# Altium PCB ctrl_boardV1.1.PcbDoc (part 1 of 3) (continued)
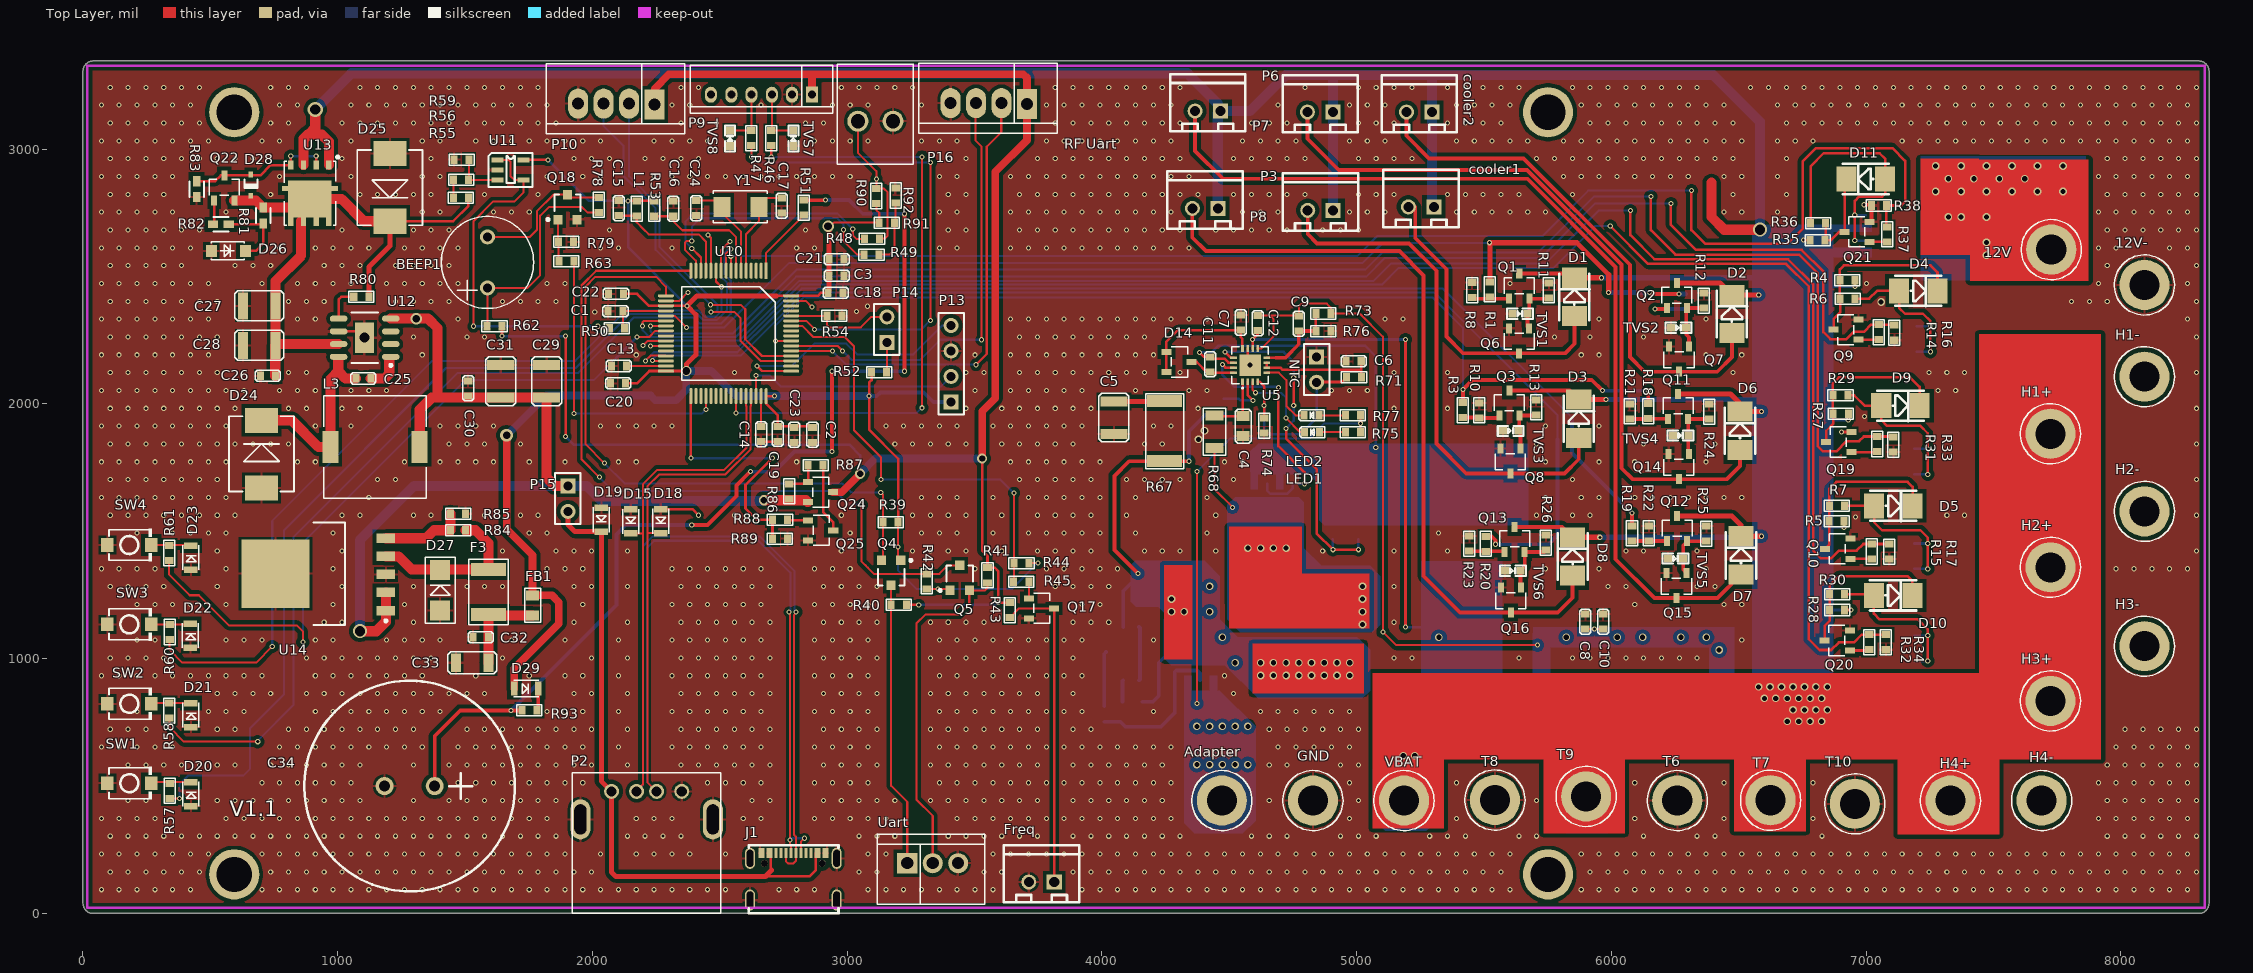
[diagram p0: Top Layer view]
## Footprints (in the part's own frame and the unit in brackets; to place one, negate y for a bottom-side part, rotate by r counter-clockwise, add the part's x,y. Pads: shape width x height; smd on the part's side, far side on the other; paste and mask are expansions set on the pad)
3X2.54MMZ [mm]
  rect 2x2 hole 1.2: 1(0,0)
  round 2 hole 1.2: 2(2.54,0) 3(5.08,0)
  silkscreen extent -3,-4.1 7.75,2.9
4X2.54MMZ [mm]
  rect 2x3 hole 1.2: 1(0,0)
  oval 2x3 hole 1.2: 2(2.54,-0.1) 3(5.08,-0.1) 4(7.62,-0.1)
  silkscreen extent -3,-4.1 10.79,2.9
6X2MMZ [mm]
  rect 1.2x1.6 hole 0.8: 1(0,0)
  oval 1.2x1.6 hole 0.8: 2(2,0) 3(4,0) 4(6.05,0) 5(8.05,0) 6(10.08,0)
  silkscreen extent -2.05,-2.95 12.12,1.85
0603C [mm]
  rect 0.7x0.85 smd: 1(0,0) 2(1.5,0)
  silkscreen extent -0.5,-0.55 2,0.55
0603LED [mm]
  rect 0.7x0.85 smd: 1(0,0) 2(1.5,0)
  silkscreen extent -0.5,-0.55 2,0.55
0603R [mm]
  rect 0.7x0.85 smd: 1(0,0) 2(1.5,0)
  silkscreen extent -0.5,-0.55 2,0.55
0603r [mm]
  rect 0.7x0.85 smd: 1(0,0) 2(1.5,0)
  silkscreen extent -0.5,-0.55 2,0.55
0805C [mm]
  rect 1x1.3 smd: 1(0,0) 2(2,0)
  silkscreen extent -0.7,-0.8 2.7,0.8
0805CZ [mm]
  rect 1x1.3 smd: 1(0,0) 2(2,0)
  silkscreen extent -0.7,-0.8 2.7,0.8
1206C [mm]
  rect 1x1.8 smd: 1(0,0) 2(3.25,0)
  silkscreen extent -0.8,-1.1 4.05,1.1
1206R [mm]
  rect 1x1.8 smd: 1(0,0) 2(3.25,0)
  silkscreen extent -0.7,-1.1 3.95,1.1
1210C [mm]
  rect 1x2.7 smd: 1(0,0) 2(3.25,0)
  silkscreen extent -0.8,-1.5 4.05,1.5
1812-F [mm]
  rect 1.3x3.5 smd: 1(0,0) 2(4.5,0)
  silkscreen extent -1,-1.95 5.5,1.95
2512R [mm]
  rect 1.2x3.5 smd: 1(0,0) 2(6,0)
  silkscreen extent -0.75,-1.9 6.75,1.9
BEEP-9.5X5.5 [mm]
  round 1.5 hole 0.9: 1(-2.54,0) 2(2.54,0)
  silkscreen extent -4.6,-4.6 4.6,4.6
CAP-TH_BD21.0-P5.00-D0.8_CENXXX-CF [mm]
  round 1.8 hole 1.1 paste-2539.97 mask+0.05: 1(-2.5,0) 2(2.5,0)
  silkscreen extent -10.5,-10.5 10.5,10.5
CDRH105 [mm]
  rect 3.2x1.6 smd: 1(5.1,-0.65) 2(5.1,-9.55)
  silkscreen extent 0,-10.2 10.2,0
CRAY_5032 [mm]
  rect 1.7x2 smd: 1(0,0) 2(3.7,0)
  silkscreen extent -0.86,-1.6 4.55,1.6
DIOD-SOD323-2_V [mm] "SOD-323, 2-Leads, Body 1.7x1.3mm, Lead Span 2.5mm"
  rect 0.59x0.45 smd: 1(-1.055,0) 2(1.055,0)
  silkscreen extent -0.56,-0.65 0.26,0.65, body extent -1.21,-0.65 1.31,0.65, height 1.13
DO-214-AC [mm]
  rect 2x2.5 smd: 1(-1.915,0) 2(1.915,0)
  silkscreen extent -2.3,-1.52 2.3,1.5, body extent -2.3,-1.35 2.3,1.35, height 2.4
FIX-4.5 [mm]
  round 5 hole 3: 1(0,0)
  silkscreen extent -3,-3 3,3
HDR1X2 [mm] "Connector; Header; 2 Position"
  rect 1.5x1.5 hole 0.9: 1(0,0)
  round 1.5 hole 0.9: 2(2.54,0)
  silkscreen extent -1.27,-1.27 3.81,1.27
HDR1X4 [mm] "Connector; Header; 4 Position"
  rect 1.5x1.5 hole 0.9: 1(0,0)
  round 1.5 hole 0.9: 2(2.54,0) 3(5.08,0) 4(7.62,0)
  silkscreen extent -1.27,-1.27 8.89,1.27
KF250NH-3.5-2P [mm]
  round 2.1 hole 1.41: 1(0,0) 2(3.5,0)
  silkscreen extent -2.05,-5.71 5.55,4.3
LQFP-64 [mm]
  rect 1.6x0.3 smd: 1(0,0)
  oval 1.6x0.3 smd: 2(0,-0.5) 3(0,-1) 4(0,-1.5) 5(0,-2) 6(0,-2.5) 7(0,-3) 8(0,-3.5) 9(0,-4) 10(0,-4.5) 11(0,-5) 12(0,-5.5) 13(0,-6) 14(0,-6.5) 15(0,-7) 16(0,-7.5) 33(12.5,-7.5) 34(12.5,-7) 35(12.5,-6.5) 36(12.5,-6) 37(12.5,-5.5) 38(12.5,-5) 39(12.5,-4.5) 40(12.5,-4) 41(12.5,-3.5) 42(12.5,-3) 43(12.5,-2.5) 44(12.5,-2) 45(12.5,-1.5) 46(12.5,-1) 47(12.5,-0.5) 48(12.5,0)
  oval 0.3x1.6 smd: 17(2.5,-10) 18(3,-10) 19(3.5,-10) 20(4,-10) 21(4.5,-10) 22(5,-10) 23(5.5,-10) 24(6,-10) 25(6.5,-10) 26(7,-10) 27(7.5,-10) 28(8,-10) 29(8.5,-10) 30(9,-10) 31(9.5,-10) 32(10,-10) 49(10,2.5) 50(9.5,2.5) 51(9,2.5) 52(8.5,2.5) 53(8,2.5) 54(7.5,2.5) 55(7,2.5) 56(6.5,2.5) 57(6,2.5) 58(5.5,2.5) 59(5,2.5) 60(4.5,2.5) 61(4,2.5) 62(3.5,2.5) 63(3,2.5) 64(2.5,2.5)
  silkscreen extent 1.59,-8.41 10.91,0.91
MSS1038 [mm]
  rect 1.78x3.56 smd: 1(0,0) 2(9.4,0)
  silkscreen extent -0.3,-5.11 9.7,5.09
POWERDI-5_L5.4-W4.0-LS6.5-RD [mm]
  rect 1.4x1.4 smd: 1(2.032,-0.92) 2(2.032,0.92)
  rect 4.9x3.4 smd: 3(-2.032,0)
  silkscreen extent -3.7,-2.37 2.67,2.1
"PowerPAK SO-8" [mm]
  rect 0.9x0.54 smd: 1(0.95,-0.67) 2(0.95,-1.94) 3(0.95,-3.21) 4(0.95,-4.48) 5(6.548,-4.48) 6(6.548,-3.21) 7(6.548,-1.94) 8(6.548,-0.67)
  rect 0.5x1.6 smd: 5(3.3,-4.575) 8(3.3,-0.575)
  rect 3.66x2.5 smd: 5(4.325,-3.495)
  rect 3.66x2 smd: 8(4.325,-1.401)
  silkscreen extent 0.03,-5.12 6.93,0.33
RESC1608X055N_0603 [mil] "Chip Resistor, 0603"
  round 10 on Mech3: 0(0,0)
  rect 40x30 smd: 1(-30.98,0) 2(30.98,0)
  silkscreen extent -30,-29 30,29, body extent -31,-16 31,16, height 22
SIP-2A [mm]
  rect 1.5x1.5 hole 1: 1(-1.27,0)
  round 1.5 hole 1: 2(1.27,0)
  silkscreen extent -3.75,-3.68 3.75,2.02, body extent -3.7,-3.81 3.7,2.29, height 7.5
SMA [mm]
  rect 2x2 smd: 1(0,0) 2(4,0)
  silkscreen extent -1.3,-1.5 5.3,1.5
SMC [mm]
  rect 2.5x3.3 smd: 1(0,0) 2(6.75,0)
  silkscreen extent -0.35,-3.25 7.15,3.25
sod123 [mm]
  rect 1.1x1.2 smd: 1(0,0) 2(3.385,0)
  silkscreen extent 0,-0.9 3.3,0.9
SOD323 [mm]
  rect 0.65x1.35 smd: 1(0,0) 2(2.4,0)
  silkscreen extent -0.03,-0.8 2.44,0.8
SOD-523 [mil]
  rect 31.5x30 smd: 1(-30,0) 2(30,0)
  silkscreen extent -51,-20 51,20, body extent -31,-16 31,16, height 26
SOP127P600X168_HS-8N [mm] "SOP, 8-Leads, Body 5.0x4.0mm (max), Pitch 1.27mm, IPC Medium Density"
  oval 1.75x0.6 smd: 1(-2.6,1.905) 2(-2.6,0.635) 3(-2.6,-0.635) 4(-2.6,-1.905) 5(2.6,-1.905) 6(2.6,-0.635) 7(2.6,0.635) 8(2.6,1.905)
  rect 1.9x3 smd: 9(0,0)
  silkscreen extent -2.73,-2.5 1.33,2.88, body extent -2,-2.5 2,2.5, height 1.68
sot23-3 [mm]
  rect 1x0.6 smd: 1(0,0) 2(0,2) 3(-2.5,1)
  silkscreen extent -2.1,-0.5 -0.5,2.5
SOT23-3 [mm]
  rect 1x0.6 smd: 1(0,0) 2(0,2) 3(-2.5,1)
  silkscreen extent -2.1,-0.5 -0.5,2.5
SOT-23 [mm] "SOT-23; 3 Leads; Body 3.0 x 2.6 mm, inc. leads (LxW max)"
  rect 0.9x0.95 smd: 1(-0.95,-1.25) 2(0.95,-1.25) 3(0,1.25)
  silkscreen extent -2.08,-1.37 1.3,1.25
sot-23-5 [mm]
  rect 1.2x0.5 smd: 1(-1.3,1) 2(-1.3,0) 3(-1.3,-1) 4(1.3,-1) 5(1.3,1)
  silkscreen extent -2.2,-1.7 2.2,1.7
SW-SMD_L3.9-W3.0-P4.45 [mm]
  rect 1.23x1.36 smd: 1(-2.185,0) 2(2.185,0)
  silkscreen extent -2.03,-1.62 2.25,1.62
TO228P1435X457-6N [mm] "D2-PAK, 6-Pads, Body 8.6x10.2mm (max), IPC Medium Density"
  rect 1.85x0.95 smd: 1(0,0) 2(0,-1.8) 3(0,-3.6) 4(0,-5.4) 5(0,-7.2)
  rect 6.8x6.8 smd: 6(11,-3.671)
  silkscreen extent -0.13,-8.77 7.2,1.43, body extent 4.2,-8.77 12.84,1.43, height 4.57
TYPEC_16P [mm]
  oval 1x2.1 hole 0.65 slot 1.7 at 90 deg: 1(-4.32,-0.391) 1(-4.32,3.759) 1(4.32,-0.391) 1(4.32,3.759)
  round 0.67 hole 0.67: 2(-2.89,3.259) 2(2.89,3.259)
  rect 0.3x1 smd: A1(-3.05,4.293) A4(-2.25,4.293) A5(-1.25,4.293) A6(-0.25,4.293) A7(0.25,4.293) A8(1.25,4.293) A9(2.25,4.293) A12(3.35,4.293) B1(3.05,4.293) B4(2.55,4.293) B5(1.75,4.293) B6(0.75,4.293) B7(-0.75,4.293) B8(-1.75,4.293) B9(-2.55,4.293) B12(-3.35,4.293)
  silkscreen extent -4.44,-1.73 4.49,5.07
USB-A [mm]
  round 1.5 hole 1: 1(0,0) 2(2.5,0) 3(4.5,0) 4(7,0)
  oval 2x4 hole 1.2 slot 3 at 90 deg: 5(-3.1,-2.8) 6(10.1,-2.8)
  silkscreen extent -3.91,-12.17 10.89,1.83
VQFN-16_L3.6-W3.6-P0.50-BL-EP [mm]
  rect 0.28x0.665 smd: 1(-0.75,-1.658) 2(-0.25,-1.658) 3(0.25,-1.658) 4(0.75,-1.658) 9(0.75,1.658) 10(0.25,1.658) 11(-0.25,1.658) 12(-0.75,1.658)
  rect 0.665x0.28 smd: 5(1.658,-0.75) 6(1.658,-0.25) 7(1.658,0.25) 8(1.658,0.75) 13(-1.658,0.75) 14(-1.658,0.25) 15(-1.658,-0.25) 16(-1.658,-0.75)
  rect 2.14x2.14 smd: 17(0,0)
  silkscreen extent -1.83,-2.36 1.83,1.83

## Part data
12V 12V- Adapter GND H1+ H1- H2+ H2- H3+ H3- H4+ H4- T6 T7 T8 T9 T10 VBAT: library part TP
C1 C2 C3 C13 C14 C15 C16 C17 C18 C19 C20 C21 C22 C23 C24: library part CAP4, "贴片电容 20%"
C4 C5 C6 C7 C8 C9 C10 C11 C12 C25 C26 C27 C28 C29 C30 C31: library part CAP, "Capacitor"
C32 C33: library part Cap, "Capacitor", LatestRevisionDate=17-Jul-2002, LatestRevisionNote="Re-released for DXP Platform.", PackageDescription="Radial Cap, Thru-Hole; 2 Leads; 0.3 in Pin Spacing", PackageReference=RAD-0.3, Published=8-Jun-2000, Publisher="Altium Limited"
C34: library part CAP2, "电解电容"
cooler1 cooler2 Freq P3 P6 P7 P8: "XH2.54 2P 立贴"
D1 D2 D3 D4 D5 D6 D7 D8 D9 D10 D11: library part DIODE2, "贴片二极管"
D12 D13: Average Rectified Current (Io)=10A, Forward Voltage (Vf@If)=510mV@10A, JLCPCB Part Class="Extended Part", LCSC Part Name="电压:40V 电流:10A", Manufacturer=DIODES(美台), Reverse Voltage (Vr)=40V, Add into BOM=yes, Convert to PCB=yes, Datasheet=https://atta.szlcsc.com/upload/public/pdf/source/20170427/1493286399327.pdf, Device=PDS1040-13, Manufacturer Part=PDS1040-13, Supplier=LCSC, Supplier Footprint=Power-DI-5, Supplier Part=C110512, Symbol=PDS1040-13
D14: library part PDS1040-13, Average Rectified Current (Io)=10A, Forward Voltage (Vf@If)=510mV@10A, JLCPCB Part Class="Extended Part", LCSC Part Name="电压:40V 电流:10A", Manufacturer=DIODES(美台), Reverse Voltage (Vr)=40V, Add into BOM=yes, Convert to PCB=yes, Datasheet=https://atta.szlcsc.com/upload/public/pdf/source/20170427/1493286399327.pdf, Device=PDS1040-13, Manufacturer Part=PDS1040-13, Supplier=LCSC, Supplier Footprint=Power-DI-5, Supplier Part=C110512, Symbol=PDS1040-13
D15 D16 D18 D19 D20 D21 D22 D23 D24 D25 D27: library part "DIODE S", "Schottky Diode"
D17 D26: library part BZT52C12S-7-F, Minimum Operating Temperature=-65C, Package / Case=SOD-323, Package Description="2-Pin Surface Mount Device, Body 1.7 x 1.3 mm", Package Reference=SOD323-2, Pd - Power Dissipation=200mW, Voltage Temperature Coefficient=0.25mV/C, Voltage Tolerance=5%, Vz - Zener Voltage=12V, Zener Current=5mA, Mounting Style=SMD/SMT, Mounting Technology=SurfaceMount, Package URL=http://www.vishay.com/docs/71192/71192.pdf, Packaging=Reel, Product Category=ZenerDiodes, RoHS=True, Series=BZT52C12, Termination Style=SMD/SMT, Unit Weight=0.000173oz, Width=1.4mm, Zz - Zener Impedance=40Ohms
D28: library part BZT52C12S-7-F, "Surface Mount Zener Diode, 12 V, -65 to 150 degC, 2-Pin SOD323, RoHS, Tape and Reel", Manufacturer=DiodesIncorporated, Voltage Temperature Coefficient=0.25mV/C, Voltage Tolerance=5%, Vz - Zener Voltage=12V, Zener Current=5mA, Width=1.4mm, Zz - Zener Impedance=40Ohms
D29: library part DIODE
F1 F2 F3 F4: library part "Fuse 1", "Fuse", LatestRevisionDate=17-Jul-2002, LatestRevisionNote="Re-released for DXP Platform.", PackageDescription="Thru-Hole; 2 Leads", PackageReference=PIN-W2/E2.8, Published=8-Jun-2000, Publisher="Altium Limited"
FB1: library part FB, Part Field 1="磁珠/0603/1K ohm/100MHz", Text Field1=FB
L1: library part CIZHU1, "磁珠电感 100R 100MHz"
L2 L3: library part INDUCTOR
LED1 LED2: library part LED
NTC: library part "Header 2", "XH2.54 2P 立贴", LatestRevisionDate=17-Jul-2002, LatestRevisionNote="Re-released for DXP Platform.", Publisher="Altium Limited"
P2 P9: "Header, 6-Pin", LatestRevisionDate=17-Jul-2002, LatestRevisionNote="Re-released for DXP Platform.", Publisher="Altium Limited"
P10 P13 "RF Uart": "Header, 4-Pin", LatestRevisionDate=17-Jul-2002, LatestRevisionNote="Re-released for DXP Platform.", Publisher="Altium Limited"
P14 P15: "Header, 2-Pin", LatestRevisionDate=17-Jul-2002, LatestRevisionNote="Re-released for DXP Platform.", Publisher="Altium Limited"
Q1 Q2 Q3 Q11 Q12 Q13: library part NPN-1, "三极管"
Q4 Q5 Q17 Q18: library part NPN-1, "NPN"
Q6 Q7 Q8 Q14 Q15 Q16: library part "MOSFET N", "MOSFET N"
Q9 Q10 Q19 Q20 Q21 Q25: library part NPN, "NPN Bipolar Transistor", Code_JEDEC=TO-226-AA, LatestRevisionDate=17-Jul-2002, LatestRevisionNote="Re-released for DXP Platform.", PackageReference=TO-226, Published=8-Jun-2000, Publisher="Altium Limited"
Q22 Q23: library part OEM_Diodes_MMBT4403
Q24: library part MOSFET-P, "P-Channel MOSFET", LatestRevisionDate=17-Jul-2002, LatestRevisionNote="Re-released for DXP Platform.", PackageReference=E3, PackageVersion=1995/1996, Published=8-Jun-2000, Publisher="Altium Limited"
R1 R2 R3 R6 R7 R8 R9 R10 R11 R12 R13 R18 R19 R20 R21 R22 R23 R24 R25 R26 R29 R30 R36: library part RES-SOP, "贴片电阻 5%"
R4 R5 R14 R15 R16 R17 R27 R28 R31 R32 R33 R34 R35 R37 R38 R43 R44 R45 R48 R49 R50 R55 R56 R59 R67 R68 R69 R70 R71 R72 R73 R74 R76 R80 R86 R87 R88 R89: library part Res1, "Resistor", LatestRevisionDate=17-Jul-2002, LatestRevisionNote="Re-released for DXP Platform.", PackageReference=AXIAL-0.3, Published=8-Jun-2000, Publisher="Altium Limited"
R39 R40 R41 R42: library part R, "贴片电阻 1%"
R46 R47 R51 R52 R53 R54: library part RES2, "贴片电阻 5%"
R57 R58 R60 R61 R93: library part RESISTOR_0, Part Reference=R70, PCB Footprint=R0402, SIGNAL_MODEL=DEFAULT_RESISTOR_200OHM_1_2
R62 R63 R78 R79: library part RES0, "贴片电阻 5%"
R64 R81: library part Resistor_0603, Package=0603, PartNumber=RC0603FR-0716K9L, Power Rating=[power], TempCo=[tempco], Tolerance=tol, SupplierDescription="RES SMD 16.9K OHM 1% 1/10W 0603"
R65 R66 R82 R83: library part Resistor_0603, Package=0603, PartNumber=RC0603FR-071KL, Power Rating=[power], TempCo=[tempco], Tolerance=tol, SupplierDescription="RES SMD 1K OHM 1% 1/10W 0603"
R75 R77 R90 R91 R92: library part R
R84 R85: library part R, "R"
TVS1 TVS2 TVS3 TVS4 TVS5 TVS6 TVS7 TVS8: library part TVS-1, "TVS"
U1 U3 U6 U7 U8 U9 U13: "Sia430DJ"
U2 U4: library part Si7997DP, "Sia430DJ"
U5: JLCPCB Part Class="Extended Part", Manufacturer=TI(德州仪器), Add into BOM=yes, Convert to PCB=yes, Datasheet=https://www.ti.com/cn/lit/gpn/bq24650, Device=BQ24650RVAR, LCSC Part Name=BQ24650RVAR, Manufacturer Part=BQ24650RVAR, Supplier=LCSC, Supplier Footprint=VQFN-16-EP(3.6x3.6), Supplier Part=C53712, Symbol=BQ24650RVAR
U10: library part STM32F405RG, "MCU"
U11: library part AD8615
U12: library part LM22676MR-5.0
Uart: "Header, 3-Pin", LatestRevisionDate=17-Jul-2002, LatestRevisionNote="Re-released for DXP Platform.", Publisher="Altium Limited"
Y1: library part XTAL, "晶振"
BEEP1: PCB DECAL=BEEP-9.5X5.5
P16: Publisher="Altium Limited"
SW1 SW2 SW3 SW4: Part Reference=SW2, PCB Footprint=KEY_3X6

## Free pads (board coordinates)
  round 196.85 hole 137.8: 1(593.85,153.08) 1(593.85,3145.21) 1(5751.33,153.08) 1(5751.33,3145.21)

## Via types
v1: diameter 20, hole 12, Top Layer to Bottom Layer, tented both sides, 2178 vias
v2: diameter 30, hole 20, Top Layer to Bottom Layer, tented both sides, 97 vias
v3: diameter 40, hole 25, Top Layer to Bottom Layer, tented both sides, 3 vias
v4: diameter 55, hole 40, Top Layer to Bottom Layer, tented both sides, 2 vias
v5: diameter 45, hole 30, Top Layer to Bottom Layer, tented both sides, 2 vias
v6: diameter 59.06, hole 39.37, Top Layer to Bottom Layer, 1 vias
v7: diameter 60, hole 40, Top Layer to Bottom Layer, tented both sides, 1 vias
v8: diameter 40, hole 30, Top Layer to Bottom Layer, tented both sides, 1 vias
v9: diameter 50, hole 30, Top Layer to Bottom Layer, tented both sides, 1 vias

## Nets (pads, with @x,y where several pads share a name; then routed paths per layer and width w, separated by ;. In a path a pad name is that pad's centre, name@x,y a point inside that pad or via, vN(x,y) a via of type N, cw(c..) or ccw(c..) an arc to the next point about the centre after c; other vN are vias at no path point)
3.3V_MCU: C2.2 C3.2 C18.2 C19.2 C20.2 C21.2 C22.2 C23.2 D29.1 FB1.2 L1.2 P13.1 Q4.1 Q5.1 R39.2 R42.1 R44.1 R52.2 R53.1 R90.2 R91.2 U10.19 U10.32 U10.48 U10.64 U11.5 | length 8135.4
  Top Layer w8: v5(2925,2698) v5@2928.95,2698 ; v5@2928.95,2694.06 v5@2928.95,2698 ; R90.2@3108.06,2780 R90.2@3115,2786.95 3115,2761 3125.95,2750.06 R91.2@3125.95,2712 2948.19,2712 2934.19,2698 v5@2928.95,2698 ; R39.2@3200.06,1535 v1(3200.06,1438) 3200.06,1396.56 Q4.1@3210.4,1386.21 ; R42.1@3313,1274 v1(3356,1274) Q5.1@3398.39,1274 ; R44.1@3714,1375 v1@3748,1375
  Top Layer w10: U11.5@1730.18,2958.37 v1(1825.37,2958.37) ; C22.2@2122.06,2432 2175,2432 2221.8,2385.21 U10.19@2288.3,2385.21 v1(2371.21,2385.21) ; C20.2@2130.06,2081 2175,2081 2223.3,2129.3 U10.32@2288.3,2129.3 v8(2368.7,2129.3) ; v1(2140,2797) 2242,2797 R53.1@2243,2796 ; v1(2714,2031) 2713.87,2030.87 U10.48@2682,2030.87 2682,2001 2727,1956 C19.2@2727,1912.06 2860,1912.06 C2.2@2864,1908.06 ; 2723,2424.58 U10.64@2780.43,2424.58 2885.58,2424.58 2898,2437 C18.2@2924.95,2437 C18.2@2928.95,2441 ; R52.2@3095.95,2125 3095.95,2093.95 3086,2084 v1(3086,2031) 3086,1899 3200.06,1784.95 R39.2@3200.06,1535
  Top Layer w20: v8(2368.7,2129.3) 2368.7,2155.7 2406,2193 2406,2350.41 v1(2371.21,2385.21) 2410.58,2424.58 2723,2424.58 ; C18.2@2928.95,2441 C3.2@2928.95,2504 C21.2@2928.95,2568 v5@2928.95,2694.06
  Top Layer w30: v9(1663,1877) 1663,1508 1765,1406 FB1.2@1765,1248.74 1841.26,1248.74 1868,1222 1868,1138 1693,963 D29.1@1693,883
  Bottom Layer w8: v1(3200.06,1438) 3200.06,1345.95 3272,1274 v1(3356,1274) 3647,1274 v1(3749,1376)
  Bottom Layer w10: v1(1825.37,2958.37) 1986.74,2797 v1(2140,2797) 2140,2616.41 v1(2371.21,2385.21)
  Bottom Layer w15: v1(3086,2031) 3116.11,2031 3130.61,2045.5 3243.39,2045.5 3243.89,2045 3301,2045 3338,2008 P13.1@3408,2008
  Bottom Layer w30: v9(1663,1877) 1819,2033 2229,2033 2247,2015 2328,2015 2368.7,2055.7 v8(2368.7,2129.3) 2465.7,2129.3 2564,2031 v1(2714,2031) v1(3086,2031)
air_12V: 12V.1 U3.5 U3.6 U3.7 U3.8
  other v2: 7473.15,2584.15 7473.15,2634.15 7323.15,2734.15 7373.15,2734.15 7473.15,2734.15 7273.15,2834.15 7373.15,2834.15 7473.15,2834.15 7573.15,2834.15 7673.15,2834.15 7773.15,2834.15 7323.15,2884.15 7423.15,2884.15 7523.15,2884.15 7623.15,2884.15 7273.15,2934.15 7373.15,2934.15 7473.15,2934.15 7573.15,2934.15 7673.15,2934.15 7773.15,2934.15
air_FREQ: R44.2 R45.2 U10.58 | length 1738.3
  Top Layer w8: U10.58@2780.43,2306.47 2823.54,2306.47 2867,2263 2991,2263 3027,2227 3027,1897 3133,1791 v1(3133,1703) ; R45.2@3654.95,1303 R44.2@3654.95,1375 v1(3654.95,1650.06)
  Bottom Layer w8: v1(3133,1703) 3602,1703 v1(3654.95,1650.06)
air_pwr: R37.2 R38.1 U10.8 | length 5606.3
  Top Layer w8: v1(2543,2580) 2544.21,2578.8 U10.8@2544.21,2523
  Top Layer w10: v1(6314.67,2837.43) 6314.67,2682.63 6368.15,2629.15 6692.15,2629.15 6752.15,2689.15 6752.15,2953.15 6803.15,3004.15 7103.15,3004.15 7153.15,2954.15 7153.15,2794.15 7138.15,2779.15 R38.1@7080.15,2779.15 7080.15,2698.21 R37.2@7083.15,2695.21
  Bottom Layer w8: v1(2543,2580) 5002,2580 5082,2660 5731.77,2660 5909.2,2837.43 v1(6314.67,2837.43)
air_RXD: Q5.3 R42.2 U10.16 | length 3001.6
  Top Layer w8: 1957,2403 1957,2367 ; v1(2027,1713) 1957,1783 1957,2367 ; U10.16@2386.72,2523 2015,2523 1957,2465 1957,2367 ; v1(3057,1603) 3057,1381 3081,1357 ; 3070,1368 3081,1357 ; Q5.3@3442,1366.21 3395.21,1366.21 3362.06,1333.06 R42.2@3313,1333.06 3104.95,1333.06 3081,1357
  Bottom Layer w8: v1(2027,1713) 2082,1658 2953,1658 3006,1605 v1@3057,1605
air_TXD: Q4.2 R39.1 U10.17 | length 2511.5
  Top Layer w8: v1(2047,1768) 1973,1842 1973,2461 2011,2499 2250,2499 2288.3,2460.7 U10.17@2288.3,2424.58 ; v1(3132,1653) 3141,1644 R39.1@3141,1535 3141,1391.61 Q4.2@3135.6,1386.21
  Bottom Layer w8: v1(2047,1768) 2128,1687 2980,1687 2983,1684 ; 2984,1685 3016,1653 v1(3132,1653)
BAT_CHARGE: cooler1.1 cooler2.1 D1.2 D2.2 D3.2 D6.2 D7.2 D8.2 F1.1 F2.1 F4.1 H1+.1 H2+.1 H3+.1 H4+.1 P3.1 P6.1 P7.1 P8.1 Q1.3 Q2.3 Q3.3 Q11.3 Q12.3 Q13.3 R4.2 R5.2 R27.2 R28.2 R35.2 T7.1 T9.1 U3.1 U3.3 U13.1 U13.3 VBAT.1 | length 13200.7
  Top Layer w10: v1(6754.15,2643.15) R35.2@6780.09,2643.15 ; v1(6914.21,1515.1) R5.2@6914.21,1540.15 ; R28.2@6916.21,1191.15 v1(6941.26,1191.15) ; v1(6930.21,1937.1) R27.2@6930.21,1962.15 ; v1(6956.21,2461.1) R4.2@6956.21,2486.15
  Top Layer w15: Q3.3@5599.52,2052.58 5837.12,2052.58 D3.2@5872.15,2017.54 ; Q13.3@5620.52,1517.58 5807.12,1517.58 D8.2@5848.15,1476.54 ; Q1.3@5638.52,2511.58 5839.12,2511.58 D1.2@5855.15,2495.54
  Top Layer w20: P3.1@4909.15,2753.15 P3.1@4912.15,2750.15 ; D8.2@5848.15,1476.54 v1(5954.76,1476.54) ; D1.2@5855.15,2495.54 v1(5961.76,2495.54) ; D3.2@5872.15,2017.54 v1(5978.76,2017.54) ; Q2.3@6257.52,2474.58 6427.12,2474.58 D2.2@6473.15,2428.54 v1(6578.76,2428.54) ; Q12.3@6258.52,1559.58 6473.72,1559.58 6509.15,1524.15 D7.2@6509.15,1480.54 v1(6589.54,1480.54) ; Q11.3@6262.52,2039.58 6467.72,2039.58 6505.15,2002.15 D6.2@6505.15,1970.54 v1(6589.54,1970.54)
  Top Layer w40: U13.3@865.62,2937.6 865.62,3041.62 882,3058 886,3058 ; 877,3049 886,3058 ; v7(911.72,3155.86) 911.72,3083.72 886,3058 ; 938,3057 965.62,3029.38 U13.1@965.62,2937.6 ; 938,3058 886,3058 ; 6393.41,2868.15 6393.41,2733.89 6443.15,2684.15 v4(6583.15,2684.15)
  Bottom Layer w10: 6836.09,1937.1 v1(6930.21,1937.1) ; 6844.09,1515.1 v1(6914.21,1515.1) ; 6856.15,1191.15 v1(6941.26,1191.15) ; 6856.21,2461.1 v1(6956.21,2461.1)
  Bottom Layer w20: v1(5954.76,1476.54) 6620.76,1476.54 ; v1(5961.76,2495.54) 6624.54,2495.54 ; v1(5978.76,2017.54) 6609.76,2017.54
  Bottom Layer w40: v7(911.72,3155.86) 1053.86,3298 4335,3298 4456.47,3176.53 4456.47,3159.53 P7.1@4466,3150 ; P8.1@4455,2768 4455,3139 P7.1@4466,3150 ; P3.1@4908.15,2760.15 4907,2761.3 P6.1@4907,3146 4907,3287.71 4910.21,3290.92 ; cooler1.1@5303,2774 5296,2781 cooler2.1@5296,3146 5296,3282.07 5304.85,3290.92 ; v4(6583.15,2684.15) 6583.15,3108.85 6401.08,3290.92 5304.85,3290.92 ; P7.1@4466,3150 4582,3150 4722.92,3290.92 4910.21,3290.92 ; 4910.21,3290.92 5304.85,3290.92
  other v2: 5183.15,619.15 5228.15,619.15 6690.65,754.15 6735.65,754.15 6780.65,754.15 6825.65,754.15 6713.15,799.15 6758.15,799.15 6803.15,799.15 6848.15,799.15 6600.65,844.15 6645.65,844.15 6690.65,844.15 6735.65,844.15 6780.65,844.15 6825.65,844.15 6578.15,889.15 6623.15,889.15 6668.15,889.15 6713.15,889.15 6758.15,889.15 6803.15,889.15 6848.15,889.15
BAT_CHARGE_O: C8.2 C9.2 C10.2 C12.1 F1.2 F2.2 F4.2 R70.2 R73.1 U5.9 | length 2692.8
  Top Layer w8: C12.1@4611.15,2347.15 4660.15,2347.15 ; U5.9@4611.68,2217.41 4626.41,2217.41 4673.15,2264.15 4673.15,2334.15 4660.15,2347.15 ; 5380.15,1053.15 5363.15,1053.15 ; v1(5710.15,1053.15) 5363.15,1053.15 ; C8.2@5898.15,1116.09 C10.2@5968.15,1116.09 ; 4660.15,2347.15 4771.21,2347.15 C9.2@4773.15,2345.21 4773.15,2384.15 4783.15,2394.15 4883.15,2394.15 4899.15,2378.15 R73.1@4899.15,2355.15 5012.15,2355.15 5103.15,2264.15 v1(5103.15,1105.15) 5155.15,1053.15 5363.15,1053.15
  Bottom Layer w8: F4.2@5375.32,736.15 F4.2@5375.32,781.98
  other v1: 5933.15,1116.09
  other v2: 6423.15,1034.15 5823.15,1084.15 6023.15,1084.15 6123.15,1084.15 6273.15,1084.15 6373.15,1084.15
BATTERY: R50.1 U11.1 U11.4 | length 1409.6
  Top Layer w8: v1(1533,2305) 1533,2718 1609,2794 1693,2794 1730.18,2831.18 U11.4@1730.18,2879.63 1693.37,2879.63 1678,2895 1678,2951 1670.63,2958.37 U11.1@1627.82,2958.37 ; v1(2021,2305) 2029,2297 R50.1@2066,2297
  Bottom Layer w8: v1(1533,2305) v1(2021,2305)
ble_rxd: P10.3 U10.52 | length 1432.3
  Top Layer w8: v1(2464,2389.38) 2582.62,2389.38 2600,2372 2600,2254 2665.65,2188.35 U10.52@2780.43,2188.35
  Bottom Layer w8: P10.3@2044,3178.94 2044,3091 2122,3013 2122,2895 2248.1,2768.9 2248.1,2605.28 v1(2464,2389.38)
ble_txd: P10.2 U10.51 | length 1430.2
  Top Layer w8: v1(2465.46,2361.34) 2557.45,2361.34 2582,2336.8 2582,2247 2660.33,2168.67 U10.51@2780.43,2168.67
  Bottom Layer w8: P10.2@2144,3178.94 2144,2894 2263,2775 2263,2617.25 2491,2389.25 2491,2368.27 2484.08,2361.34 v1(2465.46,2361.34)
BOOT0: P14.2 R54.1 U10.60 | length 431.5
  Top Layer w8: U10.60@2780.43,2345.84 R54.1@2919.84,2345.84 ; R54.1@2920,2346 2920,2311 2930,2301 3054,2301 3095,2342 P14.2@3156,2342
cool1: R1.2 R2.2 U10.21 | length 4437.5
  Top Layer w8: U10.21@2288.3,2345.84 2323.43,2345.84 v1(2368.7,2300.56)
  Top Layer w15: v1(6149.15,2438.15) 6156.15,2431.15 v1(6266.15,2431.15)
  Top Layer w20: v1(5522,2633) 5864.3,2633 5989.76,2507.54 5989.76,2439.76 v1(5988.15,2438.15) ; R1.2@5523.15,2479.21 v1@5523.15,2631.85
  Bottom Layer w8: v1(2368.7,2300.56) 2518.56,2300.56 2771,2553 5022.62,2553 5101.62,2632 5521,2632 v1(5522,2633)
  Bottom Layer w20: v1(5988.15,2438.15) v1(6149.15,2438.15) ; v1(6266.15,2431.15) R2.2@6290.15,2431.15
COOL2: R3.2 R18.2 U10.55 | length 4025.7
  Top Layer w8: v1(2718.02,2246.72) 2718.71,2247.41 U10.55@2780.43,2247.41
  Top Layer w15: R3.2@5417.5,2005.52 v1(5417.5,2056.47) 5455.18,2094.15 5923.15,2094.15 v1(5965.15,2052.15) ; R18.2@6145.15,2001.21 v1(6145.15,2052.15)
  Bottom Layer w8: v1(2718.02,2246.72) 2718.02,2307.6 2831.11,2420.69 2837.74,2420.69 2840.43,2418 5299,2418 5417.5,2299.5 v1(5417.5,2056.47)
  Bottom Layer w15: v1(5965.15,2052.15) v1(6145.15,2052.15)
cool3: R19.2 U10.29 | length 4577.9
  Top Layer w8: v1(2209,2169) 2209,2170.87 2228.13,2190 2286.65,2190 U10.29@2288.3,2188.35
  Top Layer w15: R19.2@6081.15,1521.21 v1(6081.15,1572.15)
  Bottom Layer w8: v1(2209,2169) 2209,2170.87 2241.13,2203 2569,2203 2636.77,2270.77 2638.72,2270.77 2820.95,2453 5339.3,2453 5846.15,1946.15
  Bottom Layer w15: 5846.15,1946.15 5846.15,1807.15 v1(6081.15,1572.15)
cool4: R20.2 U10.30 | length 4707.6
  Top Layer w8: v1(2236,2171) 2238.33,2168.67 U10.30@2288.3,2168.67
  Top Layer w15: R20.2@5507.15,1480.21 5530.09,1480.21 5545.15,1465.15 v1(5545.15,1449.15)
  Bottom Layer w8: v1(2236,2171) 2236,2174.25 2239.77,2178.02 2239.77,2179.01 2250.76,2190 2582.04,2190 2829.04,2437 5307,2437 5789.15,1954.85 5789.15,1859.92
  Bottom Layer w15: v1(5545.15,1449.15) 5753.15,1449.15 5789.15,1485.15 5789.15,1859.92
dec: R61.2 U10.24 | length 2874.9
  Top Layer w8: R61.2@337.88,1385.23 337.88,1329.85 418.73,1249 455,1249 573,1131 839.37,1131 863,1107.37 v1(863,1065) ; v1(2175,2262.92) 2223.23,2262.92 2247.09,2286.78 U10.24@2288.3,2286.78
  Bottom Layer w8: v1(863,1065) 863,1455 1502.78,2094.78 2006.86,2094.78 v1(2175,2262.92)